# Altium PCB VCTS_mainboard_Photo.PcbDoc (part 2 of 4) (continued)
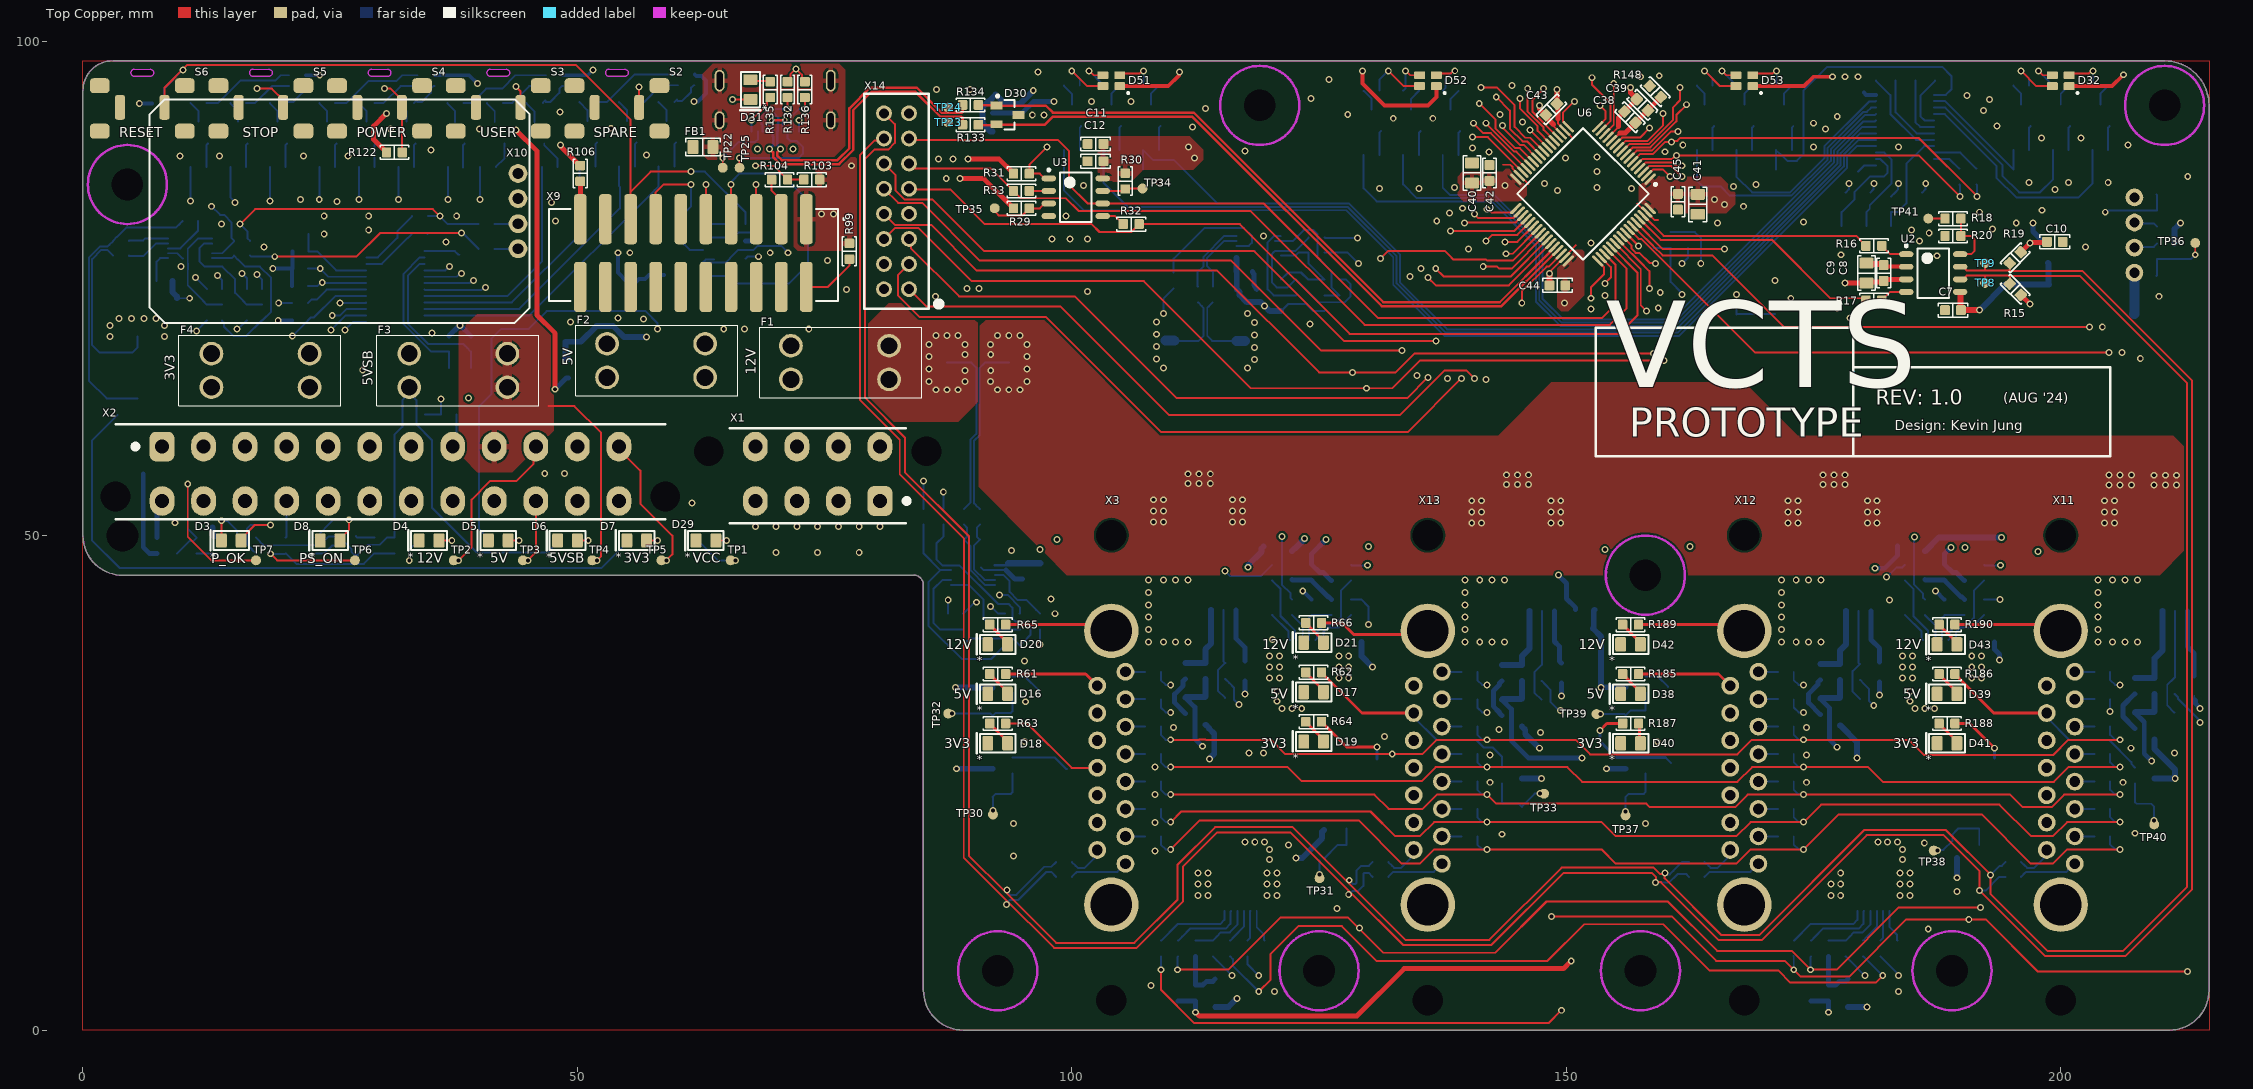
[diagram p0: Top Copper view]
## Nets (pads, with @x,y where several pads share a name; then routed paths per layer and width w, separated by ;. In a path a pad name is that pad's centre, name@x,y a point inside that pad or via, vN(x,y) a via of type N, cw(c..) or ccw(c..) an arc to the next point about the centre after c; other vN are vias at no path point) (continued)
3V3_ISense_U_Interface_Load_Switching1: C59.2 R196.1 U6.8 | length 111.3
  Top Copper w0.2: U6.8@156.008,88.526 156.744,89.262 158.495,89.262 161.126,91.893 161.126,92.53 v1(162.166,93.57)
  Signal Layer 2 w0.5: v1(162.166,93.57) 162.166,93.534 163.8,91.9 163.8,81.892 164.5,81.192 164.5,10.2 172.9,1.8 v1(176.5,1.8)
  Bottom Copper w0.5: C59.2@174.75,2.95 R196.1@176.5,2.95 v1(176.5,1.8)
3V3_ISense_U_Interface_Load_Switching2: C21.2 R72.1 U6.14 | length 139.3
  Top Copper w0.2: U6.14@153.881,90.642 154.8,91.56 v1(154.8,95.7)
  Top Copper w0.5: v1(112.5,1.8) 112.883,1.417 128.817,1.417 133.611,6.211 149.711,6.211 v1(150.5,7)
  Signal Layer 2 w0.5: v1(150.5,7) 150.5,21.077 152.531,23.108 152.531,37.031 154.8,39.3 v1(154.8,95.7)
  Bottom Copper w0.5: C21.2@110.75,2.95 R72.1@112.5,2.95 v1(112.5,1.8)
3V3_OUT_0_U_Interface_Load_Switching1: B6.12 B6.13 B6.14 C58.1 D45.1 R187.2 R194.1 X12.4 X12.5 | length 11.8
  Top Copper w0.3: v1(153.4,30.3) 154.1,31 R187.2@155.7,31
  Bottom Copper w0.2: 160.05,27.55 160.6,27
  Bottom Copper w0.3: v1(153.4,30.3) 153.4,29.212 155.062,27.55 R194.1@158,27.55 160.05,27.55
  other v1: 184,17.25 184,18.25 181.5,19 182.5,19 183.5,19
3V3_OUT_0_U_Interface_Load_Switching2: B2.12 B2.13 B2.14 C20.1 D23.1 R63.2 R70.1 X3.4 X3.5 | length 17.1
  Top Copper w0.2: R63.2@93.3,31 95.5,31 99.98,26.52 X3.4@102.578,26.52
  Bottom Copper w0.2: R70.1@94,27.55 98.3,27.55 99.45,26.4 D23.1@99.5,26.4
  other v1: 120,17.25 120,18.25 117.5,19 118.5,19 119.5,19
3V3_OUT_1_U_Interface_Load_Switching1: B6.8 B6.9 B6.10 C60.2 D47.1 R188.2 R201.1 X11.4 X11.5 | length 6
  Top Copper w0.3: R188.2@189.3,31 190.8,31 v1(193.3,28.5)
  Bottom Copper w0.3: 193.3,27.5 v1(193.3,28.5)
3V3_OUT_1_U_Interface_Load_Switching2: B2.8 B2.9 B2.10 C22.2 D25.1 R64.2 R77.1 X13.4 X13.5 | length 7.9
  Top Copper w0.3: R64.2@125.25,31.175 125.25,31.15 125.575,30.825 125.6,30.825 127.8,28.625 v1(130.85,28.625)
  Bottom Copper w0.3: 130.85,27.431 v1(130.85,28.625)
3V3_PWR_U_Interface_Load_Switching1: B2.15 B6.15 C7.2 C13.2 C14.2 C23.2 C32.2 C33.2 C46.2 C47.2 C50.2 C51.2 C52.2 C53.2 C61.2 C70.2 C71.2 D11.1 D13.1 D15.1 D22.1 D24.1 D26.1 D27.1 D28.1 D33.1 D35.1 D37.1 D44.1 D46.1 D48.1 D49.1 D50.1 R34.2 R37.2 R45.2 R87.2 R95.2 R114.2 R115.2 R116.2 R211.2 R217.1 R218.2 R219.2 U2.5 U4.6 U5.6 U7.24 U9.1 U10.1 U11.1 U12.1 U13.6 | length 271
  Top Copper w0.6: U2.5@189.825,74.645 189.863,74.645 189.863,72.838 C7.2@189.9,72.8 v1(191.8,72.8)
  Signal Layer 2 w0.6: v1(57.002,70.085) 59.7,67.387 59.7,56.4 61.6,54.5 v1(61.6,53.3) ; v1(96.1,95) 113.962,95 114.862,95.9 123.778,95.9 125.4,94.278 125.4,70.9 ; v1(191.8,72.8) v1(191.8,82.7)
  Signal Layer 3 w0.5: v1(8.25,71.25) v1@8.264,71.264 ; 10.642,75.05 12.35,75.05 14.654,77.354 16.646,77.354 v1(17.6,76.4)
  Signal Layer 3 w0.6: v1(178.6,85.6) 178.602,85.598 181.098,85.598 v1(181.1,85.596) v1(183.6,85.596) v1(186.35,85.596) 189.246,82.7 v1(191.8,82.7) ; 191.8,71.5 v1(191.8,72.8) ; v1(194,49.8) 195.5,49.8 198.1,52.4 200.9,52.4 203.5,49.8 205.863,49.8
  Bottom Copper w0.2: R218.2@3.05,78.3 3.05,78.315 2.462,78.903 1.872,78.903 0.93,77.962 0.93,69.27 1.7,68.5 5,68.5 5.5,69 R217.1@5.5,70.125 ; C70.2@7.45,75.75 7.45,77.694 7.806,78.05 U13.6@8.625,78.05 ; v1(13.6,76.3) 14.05,75.85 R219.2@14.05,74.95 ; v1(17.6,76.4) 18.1,75.9 R211.2@18.1,74.95 ; R37.2@89,42.1 89.025,42.1 90.088,43.163 90.259,43.163 v1(90.355,43.259) ; v1(92.7,44) 93.5,44 94.75,42.75 R45.2@94.75,42.1 R45.2@94.725,42.1 ; R95.2@121.15,72.7 121.857,73.407 123.713,73.407 124.42,72.7 R87.2@125.55,72.7 ; R115.2@178.238,84.688 178.57,85.02 178.57,85.57 v1(178.6,85.6) ; R114.2@180.738,84.688 181.066,85.016 v1@181.066,85.562 ; R116.2@182.85,84.3 182.865,84.3 183.238,84.674 183.238,84.688 183.566,85.016 183.566,85.562 v1(183.6,85.596) ; C47.2@185.988,84.688 186.316,85.016 v1@186.316,85.562
  Bottom Copper w0.25: U4.6@92.225,47 93.136,47 93.141,47.005 93.405,47.005 93.6,47.2
  Bottom Copper w0.6: U10.1@49.1,67.85 48.9,67.85 48.8,67.95 C52.2@48.8,69.6 50.35,69.6 51.95,71.2 53.604,71.2 54.704,70.1 56.987,70.1 v1(57.002,70.085) ; v1(88.225,34.625) D11.1@92,34.625 ; v1(88.325,26.425) D22.1@92,26.425 ; U9.1@92,90.85 91.8,90.85 90.97,91.68 90.97,93.328 91.526,93.884 91.584,93.884 C50.2@92.3,94.6 93.23,93.67 94.77,93.67 v1(96.1,95) ; D27.1@113.5,30.875 113.55,30.875 113.875,30.55 113.875,30.5 114.4,29.975 114.4,27.927 113.9,27.427 v1(113.9,27.4) ; D24.1@114.5,2.325 115.825,2.325 v1(116.7,3.2) ; 116.65,78.092 C32.2@116.65,76.7 116.675,76.675 116.675,74.925 C33.2@116.7,74.9 116.95,74.65 116.95,74.35 117.7,73.6 119.1,73.6 v1(119.5,73.2) 119.527,73.2 120.027,72.7 R95.2@121.15,72.7 ; D13.1@122.25,48.425 122.5,48.675 122.55,48.675 123.506,49.631 123.506,49.681 v1(123.525,49.7) ; v1(122.658,17.4) 123.3,17.4 125.309,19.409 125.309,20.051 D26.1@125.508,20.25 ; D15.1@145.5,25.425 v1(147.475,25.425) ; D28.1@145.5,30.675 145.524,30.675 145.849,30.35 145.849,29.919 147.249,28.519 147.254,28.519 147.269,28.504 v1@147.269,28.5 ; U11.1@152.85,42.5 152.775,42.425 152.775,40.675 C51.2@152.7,40.6 153.524,39.776 v1(153.524,34.654) 153.537,34.668 D33.1@156.002,34.668 ; v1(154.075,26.425) D44.1@156,26.425 ; D49.1@177.69,30.775 177.74,30.775 179.4,29.115 v1(179.4,27.5) ; D46.1@178.5,2.325 v1(180.425,2.325) ; D35.1@186.25,48.425 186.3,48.425 187.675,49.8 v1(194,49.8) ; v1(189.5,15.4) 189.508,15.408 D48.1@189.508,17.4 ; v1(191.8,72.8) 194.4,75.4 C53.2@198.8,75.4 198.75,75.45 198.75,77.5 U12.1@198.7,77.55 ; D37.1@209.5,25.425 v1(211.575,25.425) 211.575,26.325 209.5,28.4 D50.1@209.5,29.375 ; R34.2@211.5,79.55 211.5,81 v1(212.1,81.6)
  Bottom Copper w0.7: 93.6,47.2 C13.2@95,47.2 C14.2@96.8,47.2
  other v1: 112.75,13.625 113.75,13.625 119.75,13.625 120.75,13.625 176.75,13.625 177.75,13.625 183.75,13.625 184.75,13.625 112.75,14.75 113.75,14.75 119.75,14.75 120.75,14.75 176.75,14.75 177.75,14.75 183.75,14.75 184.75,14.75 112.75,15.875 113.75,15.875 119.75,15.875 120.75,15.875 177.75,15.875 183.75,15.875 184.75,15.875 147.3,28.5 93.9,48.5 96.8,48.6 2.75,70.125 8.25,70.125 2.75,71.25 3.66,71.957 4.91,71.957 6.16,71.957 7.41,71.957
3V3_SNS: R4.2 X2.13 | length 3.9
  Bottom Copper w0.5: R4.2@7.5,49.824 7.5,52.209 8,52.709 X2.13@8,53.5
3V3_UNPROT: F4.2 R4.1 TP5.1 X2.1 X2.2 X2.12 | length 23.1
  Top Copper w0.2: X2.12@54.2,59 54.2,58.75 56.37,56.58 56.37,53.23 59.6,50 59.6,48.1 v1(59,47.5)
  Bottom Copper w0.5: 6.101,56.254 6.101,48.82 6.721,48.2 R4.1@7.5,48.2
3V3_Vsense0_U_Interface_Load_Switching1: D44.2 R191.1 R194.2 TP37.1 | length 5.9
  Top Copper w0.2: TP37.1@156,21.7 v1(156,22.1)
  Bottom Copper w0.2: v1(156,22.1) D44.2@156,23.475 ; D44.2@156,23.575 156.309,23.884 157.834,23.884 R191.1@158,24.05 R194.2@158,25.95
3V3_Vsense0_U_Interface_Load_Switching2: D22.2 R67.1 R70.2 TP30.1 | length 5.9
  Top Copper w0.2: TP30.1@92.025,21.796 v1(92.025,22.196)
  Bottom Copper w0.2: D22.2@92,23.575 92.309,23.884 93.834,23.884 R67.1@94,24.05 R70.2@94,25.95 ; v1(92.025,22.196) D22.2@92.025,23.571
3V3_Vsense1_U_Interface_Load_Switching1: D48.2 R201.2 R202.1 TP38.1 | length 7.2
  Bottom Copper w0.2: v1(187.55,18.15) 187.63,18.23 188.13,18.23 189.058,19.158 189.058,19.8 D48.2@189.508,20.25 189.655,20.397 191.755,20.397 R201.2@191.758,20.4 R202.1@191.758,18.7
3V3_Vsense1_U_Interface_Load_Switching2: D26.2 R77.2 R78.1 TP31.1 | length 6.3
  Top Copper w0.2: TP31.1@125.05,15.35 v1(125.05,15.75)
  Bottom Copper w0.2: v1(125.05,15.75) D26.2@125.05,17.125 ; D26.2@125.508,17.4 125.558,17.4 126.858,18.7 R78.1@127.758,18.7 R77.2@127.758,20.4
5V_ATX: F2.1 R8.2 R90.2 R91.2 R93.2 | length 56.6
  Signal Layer 2 w0.2: v1(58.1,70.9) 59.6,69.4 F2.1@62.92,69.4
  Bottom Copper w0.2: R8.2@41.2,49.5 41.2,49.525 40.05,50.675 40.05,63.05 41.3,64.3 41.3,69.9 42.296,70.896 45.096,70.896 46.9,72.7 53.804,72.7 53.808,72.704 54.392,72.704 54.396,72.7 56.896,72.7 58.1,71.496 v1(58.1,70.9) ; v1(109.25,72.45) 109.25,73.95 109.912,74.612 109.912,74.626 110.285,75 R90.2@110.3,75 ; R93.2@110.375,69.7 112.822,69.7 113.335,70.213 113.335,72.996 113.15,73.181 113.15,73.196 112.765,73.581 R91.2@112.75,73.581
  Bottom Copper w1: 109.479,69.735 110.34,69.735 R93.2@110.375,69.7
  other v1: 109.25,66.95 108.543,67.86 108.543,69.11 108.543,70.36 108.543,71.61
5V_ISense_U_Interface_Load_Switching1: C55.2 R178.1 U6.9 | length 90.6
  Top Copper w0.2: U6.9@155.655,88.879 156.367,89.592 158.359,89.592 160.796,92.029 160.796,93.296 161.5,94 v1(161.5,95.3)
  Signal Layer 2 w0.5: v1(188.9,48.8) 190.7,50.6 190.7,83.942 190.696,83.946 190.696,84.654 190.7,84.658 190.7,94.246 190.5,94.446 v1(190.5,94.5)
  Signal Layer 3 w0.5: v1(161.5,95.3) 189.7,95.3 v1(190.5,94.5)
  Bottom Copper w0.5: v1(188.9,48.8) 188.25,48.15 R178.1@188.25,47.05 188.275,47.05 189.062,46.262 189.437,46.262 C55.2@190.25,45.45
5V_ISense_U_Interface_Load_Switching2: C17.2 R54.1 U6.15 | length 87
  Top Copper w0.2: v1(152.6,96.3) 152.6,95.6 154.45,93.75 154.45,91.918 U6.15@153.528,90.995
  Signal Layer 2 w0.5: v1(125.7,49.6) 126.84,50.74 126.84,95.26 v1(126,96.1)
  Signal Layer 3 w0.5: v1(126,96.1) 139.03,96.1 140.145,97.215 151.685,97.215 v1(152.6,96.3)
  Bottom Copper w0.5: v1(125.7,49.6) 124.25,48.15 R54.1@124.25,47.05 124.275,47.05 125.063,46.263 125.438,46.263 C17.2@126.25,45.45
5V_OUT_0_U_Interface_Load_Switching1: B5.12 B5.13 B5.14 C54.1 D34.1 R176.1 R185.2 X12.1 X12.2 | length 12.5
  Top Copper w0.3: R185.2@157.3,36 165.404,36 X12.1@166.578,34.826
  Bottom Copper w0.2: R176.1@158,35.75 159.25,35.75 160.3,34.7
  other v1: 185.25,32.5 186.25,32.5 187.25,32.5 184.75,33.25 184.75,34.25
5V_OUT_0_U_Interface_Load_Switching2: B1.12 B1.13 B1.14 C16.1 D12.1 R52.1 R61.2 X3.1 X3.2 | length 13.1
  Top Copper w0.3: R61.2@93.3,36 101.404,36 X3.1@102.578,34.826
  Bottom Copper w0.2: R52.1@94,35.75 95.25,35.75 96.7,34.3
  other v1: 121.25,32.5 122.25,32.5 123.25,32.5 120.75,33.25 120.75,34.25
5V_OUT_1_U_Interface_Load_Switching1: B5.8 B5.9 B5.10 C56.2 D36.1 R183.1 R186.2 X11.1 X11.2 | length 22.5
  Top Copper w0.3: R186.2@189.3,36 189.3,35.975 193.217,32.058 X11.2@198.578,32.058
  Bottom Copper w0.2: X11.2@198.578,32.058 198.578,31.631 200.878,29.33 204.884,29.33 207.132,27.083 207.132,26.918 R183.1@207.5,26.55
5V_OUT_1_U_Interface_Load_Switching2: B1.8 B1.9 B1.10 C18.2 D14.1 R59.1 R62.2 X13.1 X13.2 | length 23.1
  Top Copper w0.3: R62.2@125.25,36.175 125.25,36.15 129.342,32.058 X13.2@134.578,32.058
  Bottom Copper w0.2: X13.2@134.578,32.058 134.578,31.631 136.878,29.33 140.884,29.33 141.641,28.574 142.549,28.574 143.5,27.623 R59.1@143.5,26.55
5V_UNPROT: F2.2 TP3.1 X2.4 X2.6 X2.21 X2.22 X2.23 | length 6.3
  Top Copper w0.2: v1(45,47.5) 45.8,48.3 X2.22@45.8,53.5
5V_Vsense0_U_Interface_Load_Switching1: D33.2 R173.1 R176.2 TP39.1 | length 6.7
  Bottom Copper w0.2: v1(153.45,31.95) 155.87,31.95 D33.2@156.002,31.818 156.477,32.293 R173.1@158.002,32.293 158.001,32.294 158.001,34.149 R176.2@158,34.15
5V_Vsense0_U_Interface_Load_Switching2: D11.2 R49.1 R52.2 TP32.1 | length 8.3
  Bottom Copper w0.2: v1(87.9,32) 91.775,32 D11.2@92,31.775 92.309,32.084 93.834,32.084 R49.1@94,32.25 R52.2@94,34.15
5V_Vsense1_U_Interface_Load_Switching1: D37.2 R183.2 R184.1 TP40.1 | length 5.8
  Top Copper w0.2: TP40.1@209.45,20.8 v1(209.45,21.2)
  Bottom Copper w0.2: R183.2@207.5,24.95 R184.1@207.5,23.05 207.666,22.884 209.141,22.884 209.45,22.575 v1(209.45,21.2)
5V_Vsense1_U_Interface_Load_Switching2: D15.2 R59.2 R60.1 TP33.1 | length 6.9
  Top Copper w0.2: v1(147.35,23.9) TP33.1@147.75,23.9
  Bottom Copper w0.2: R59.2@143.5,24.95 R60.1@143.5,23.05 143.65,22.9 145.175,22.9 D15.2@145.5,22.575 ; D15.2@145.5,22.6 146.8,23.9 v1(147.35,23.9)
5VSB_ATX: C1.2 C2.2 C3.2 F3.1 Q1.2 R5.2 R6.2 R9.2 U1.3 X10.2 | length 68.8
  Signal Layer 3 w0.5: 39.9,77 39.9,79.98 X10.2@44,84.08
  Bottom Copper w0.2: R5.2@17.5,49.8 17.515,49.8 17.9,49.415 17.9,49.4 18.277,49.023 23.953,49.023 24.831,49.9 25.9,49.9 27.142,48.658 27.142,48.35 27.442,48.05 27.8,48.05 28.825,49.075 30.006,49.075 30.731,49.8 R6.2@31.5,49.8 31.5,60.2 32.3,61 32.3,63.705 F3.1@33,64.405 ; F3.1@33,65 F3.1@33,64.405 ; R9.2@48.2,49.5 48.2,49.485 47.826,49.112 47.812,49.112 47,48.3 39.8,48.3 35.3,52.8 35.3,59.659 33.711,61.249 33.711,63.694 F3.1@33,64.405
  other v1: 89.4,75 90.6,75
5VSB_UNPROT: F3.2 TP4.1 X2.9 | length 19.5
  Top Copper w0.2: 47.1,63.1 49.7,63.1 52.4,60.4 52.4,47.92 52,47.52 v1(52,47.5)
12V_ATX: F1.1 R7.2 R40.2 R41.2 R43.2 | length 121.3
  Signal Layer 2 w0.2: v1(33,47.5) 33.704,46.796 66.292,46.796 66.299,46.803 82.3,46.803 87.714,52.217 87.714,64.093 87.801,64.181 87.801,64.317 87.375,64.743 v1(87.375,64.75) ; v1(88.5,64.75) 88.5,55.3 96.8,47 v1(96.8,39)
  Bottom Copper w0.2: v1(33,47.5) 33,48.572 33.614,49.185 33.885,49.185 R7.2@34.2,49.5 ; R43.2@87.375,67.5 89.832,67.5 90.344,66.988 90.344,60.292 89.777,59.725 89.777,53.377 89.488,53.088 89.488,53.074 89.115,52.7 R41.2@89.1,52.7 ; v1(96.8,39) R40.2@96.8,40.5
  other v1: 86.25,64.75 85.543,65.59 89.207,65.59 89.2,66.7 85.543,66.84 85.543,68.09 89.2,68.3 85.543,69.34 89.207,69.34 86.25,70.25 87.375,70.25 88.5,70.25
12V_ISense_1_U_Interface_Load_Switching1: C66.2 D49.2 R205.1 U6.10 | length 100.1
  Top Copper w0.2: U6.10@155.301,89.233 155.99,89.922 158.222,89.922 159.8,91.5 v1(159.8,92.7)
  Signal Layer 2 w0.5: v1(177.39,28.6) 180,31.21 180,50.507 179.586,50.921 179.586,53.879 180,54.293 180,89.8 v1(177.4,92.4)
  Signal Layer 3 w0.5: v1@159.81,92.71 177.036,92.71 177.346,92.4 v1(177.4,92.4)
  Bottom Copper w0.5: C66.2@175.69,33.5 176.635,32.555 176.635,29.355 v1(177.39,28.6)
  Bottom Copper w0.6: C66.2@175.69,33.5 175.752,33.562 177.628,33.562 D49.2@177.69,33.625 R205.1@177.69,35.4
12V_ISense_1_U_Interface_Load_Switching2: C28.2 D27.2 R81.1 U6.16 | length 113.4
  Top Copper w0.2: U6.16@153.174,91.349 153.971,92.145 153.971,92.929 v1(153.4,93.5)
  Signal Layer 2 w0.5: v1(113.2,28.7) 114.446,29.946 114.446,51.275 114.9,51.729 114.9,86.5 117.262,88.862 117.462,88.862 v1(117.5,88.9)
  Signal Layer 3 w0.5: v1(117.5,88.9) 117.532,88.9 118.032,89.4 138.4,89.4 140,87.8 147.7,87.8 v1(153.4,93.5)
  Bottom Copper w0.5: C28.2@111.5,33.6 112.445,32.655 112.445,29.455 v1(113.2,28.7)
  Bottom Copper w0.6: C28.2@111.5,33.6 111.562,33.663 113.438,33.663 D27.2@113.5,33.725 R81.1@113.5,35.5
12V_ISense_2_U_Interface_Load_Switching1: C67.2 D50.2 R206.1 U6.11 | length 132.2
  Top Copper w0.2: U6.11@154.942,89.581 154.969,89.581 155.64,90.252 157.452,90.252 v1(158.4,91.2)
  Signal Layer 2 w0.5: v1(206.8,89.5) 201.1,83.8 201.1,66.6 208.5,59.2 208.5,53 210.6,50.9 210.6,28.6 v1(209.2,27.2)
  Signal Layer 3 w0.2: v1(158.4,91.2) 158.866,91.666 164.034,91.666 165.532,90.168 189.332,90.168 190.004,89.496 202.335,89.496 202.339,89.5 v1(206.8,89.5)
  Bottom Copper w0.5: C67.2@207.5,32.1 208.445,31.155 208.445,27.955 v1(209.2,27.2)
  Bottom Copper w0.6: C67.2@207.5,32.1 207.562,32.163 209.438,32.163 D50.2@209.5,32.225 R206.1@209.5,34
12V_ISense_2_U_Interface_Load_Switching2: C29.2 D28.2 R82.1 U6.17 | length 86.3
  Top Copper w0.2: U6.17@150.204,91.349 150.204,91.376 149.659,91.922 149.659,92.754 150.809,93.904 v1(150.84,93.904)
  Signal Layer 2 w0.5: v1(150.84,93.904) 151.6,93.144 v1(151.6,27.5)
  Bottom Copper w0.5: C29.2@143.5,33.4 144.445,32.455 144.445,29.255 146.2,27.5 v1(151.6,27.5)
  Bottom Copper w0.6: C29.2@143.5,33.4 143.563,33.462 145.438,33.462 D28.2@145.5,33.525 R82.1@145.5,35.3
12V_OUT_1_U_Interface_Load_Switching1: B7.5 B7.6 B7.7 C62.2 R189.2 X12.A1 | length 11
  Top Copper w0.3: R189.2@157.3,41 167.363,41 X12.A1@168,40.363
  other v1: 171.75,39.25 173.25,39.25 174.5,39.25 175.75,39.25 171.75,40.5 171.75,41.75 171.75,43 171.75,44.25 171.75,45.5 173.25,45.5 174.5,45.5 175.75,45.5
12V_OUT_1_U_Interface_Load_Switching2: B3.5 B3.6 B3.7 C24.2 R65.2 X3.A1 | length 11
  Top Copper w0.3: R65.2@93.3,41 103.363,41 X3.A1@104,40.363
  other v1: 107.75,39.25 109.25,39.25 110.5,39.25 111.75,39.25 107.75,40.5 107.75,41.75 107.75,43 107.75,44.25 107.75,45.5 109.25,45.5 110.5,45.5 111.75,45.5
12V_OUT_2_U_Interface_Load_Switching1: B8.5 B8.6 B8.7 C63.2 R190.2 X11.A1 | length 11
  Top Copper w0.3: R190.2@189.3,41 199.363,41 X11.A1@200,40.363
  other v1: 203.75,39.25 205.25,39.25 206.5,39.25 207.75,39.25 203.75,40.5 203.75,41.75 203.75,43 203.75,44.25 203.75,45.5 205.25,45.5 206.5,45.5 207.77,45.5
12V_OUT_2_U_Interface_Load_Switching2: B4.5 B4.6 B4.7 C25.2 R66.2 X13.A1 | length 11.4
  Top Copper w0.3: R66.2@125.25,41.175 127.325,41.175 128.5,40 135.637,40 X13.A1@136,40.363
  other v1: 139.75,39.25 141.25,39.25 142.5,39.25 143.75,39.25 139.75,40.5 139.75,41.75 139.75,43 139.75,44.25 139.75,45.5 141.25,45.5 142.5,45.5 143.75,45.5
12V_PWR: B3.8 B4.8 B7.8 B8.8 C26.2 C27.2 C64.2 C65.2 F5.1 R43.1 R44.2 | length 17.9
  Bottom Copper w0.2: R44.2@90.7,52.7 90.685,52.7 90.3,53.085 90.3,53.1 90.107,53.293 90.107,59.588 90.674,60.155 90.674,66.955 91.219,67.5 R43.1@93.625,67.5
  other v1: 92.5,64.75 93.625,64.75 94.75,64.75 91.793,65.59 95.457,65.59 91.8,66.7 95.457,66.84 95.457,68.09 91.8,68.3 91.793,69.34 95.457,69.34 92.5,70.25 93.625,70.25 94.75,70.25
  other v2: 140.44,51.275 141.44,51.275 148.44,51.275 149.44,51.275 172.44,51.275 173.44,51.275 180.44,51.275 181.44,51.275 204.44,51.275 205.44,51.275 108.25,51.375 109.25,51.375 116.25,51.375 117.25,51.375 140.44,52.4 141.44,52.4 148.44,52.4 149.44,52.4 172.44,52.4 173.44,52.4 180.44,52.4 181.44,52.4 204.44,52.4 205.44,52.4 108.25,52.5 109.25,52.5 116.25,52.5 117.25,52.5 140.44,53.525 141.44,53.525 148.44,53.525 149.44,53.525 172.44,53.525 173.44,53.525 180.44,53.525 181.44,53.525 204.44,53.525 205.44,53.525 108.25,53.625 109.25,53.625 116.25,53.625 117.25,53.625 204.885,55.113 206.01,55.113 207.135,55.113 209.45,55.1 210.575,55.1 211.7,55.1 143.94,55.15 145.065,55.15 146.19,55.15 175.94,55.15 177.065,55.15 178.19,55.15 111.75,55.25 112.875,55.25 114,55.25 209.45,56.1 210.575,56.1 211.7,56.1 204.885,56.113 206.01,56.113 207.135,56.113 143.94,56.15 145.065,56.15 146.19,56.15 175.94,56.15 177.065,56.15 178.19,56.15 111.75,56.25 112.875,56.25 114,56.25
12V_UNPROT: F1.2 TP2.1 X1.5 X1.6 X1.7 X1.8 X2.10 X2.11 | length 16.4
  Top Copper w0.2: v1(38,47.5) 39.3,48.8 39.3,53.642 41.158,55.5 43.8,55.5 45.57,57.27 45.57,58.43 45.4,58.6 X2.10@45.8,59
A0: R37.1 R38.1 R39.1 R42.2 U4.2 | length 8.8
  Bottom Copper w0.2: U4.2@87.775,45.5 86.9,45.5 86,44.6 86,41.2 86.7,40.5 R42.2@87.5,40.5 R39.1@89,40.5
A0_U_Low_Current_Sense1: R211.1 R212.1 R213.1 R216.2 U13.2 | length 11.8
  Bottom Copper w0.2: U13.2@13.075,79.55 13.056,79.531 12.231,79.531 11.8,79.1 11.8,77.7 12.3,77.2 14.1,77.2 15.4,75.9 15.4,74.55 16.212,73.738 16.212,73.724 16.585,73.35 R212.1@16.6,73.35 R213.1@18.1,73.35
A0_U_Low_Current_Sense2: R87.1 R88.1 R89.1 R92.2 U5.2 | length 13.5
  Bottom Copper w0.2: U5.2@120.543,79.781 121.106,79.781 U5.2@121.125,79.8 122.369,79.8 123.449,80.88 124.451,80.88 124.845,80.486 124.845,78.124 126.28,76.689 126.28,75.07 R92.2@127.05,74.3 R87.1@125.55,74.3 R87.1@125.525,74.3
A1: R45.1 R46.1 R47.1 R48.2 U4.1 | length 10
  Bottom Copper w0.2: U4.1@87.775,45 89.609,45 91.059,43.551 91.059,41.641 92.2,40.5 R48.2@93.25,40.5 R47.1@94.75,40.5
A1_U_Low_Current_Sense1: R219.1 R220.1 R221.1 R222.2 U13.1 | length 10.9
  Bottom Copper w0.2: U13.1@13.075,80.05 11.65,80.05 10.6,79 10.6,77.496 10.604,77.492 10.604,76.908 10.6,76.904 10.6,75.3 12.162,73.738 12.162,73.724 12.535,73.35 R222.2@12.55,73.35 R219.1@14.05,73.35
A1_U_Low_Current_Sense2: R95.1 R96.1 R97.1 R98.2 U5.1 | length 9.4
  Bottom Copper w0.2: U5.1@121.125,80.3 121.106,80.281 120.437,80.281 119.8,79.644 119.8,74.9 120.4,74.3 R97.1@121.15,74.3 R96.1@122.65,74.3
ADC1_IN10: U6.22 U9.2 | length 63.4
  Top Copper w0.2: v1(145.3,94.2) 145.3,93.199 147.1,91.399 147.1,90.918 U6.22@148.437,89.581
  Signal Layer 3 w0.5: v1(98.2,93.9) 98.254,93.9 98.347,93.807 98.893,93.807 100.354,92.346 114.646,92.346 117.85,95.55 124.876,95.55 125.626,94.8 139.3,94.8 140.755,96.255 142.445,96.255 144.5,94.2 v1(145.3,94.2)
  Bottom Copper w0.5: U9.2@92,92.75 94.992,92.75 96.142,93.9 v1@98.168,93.9
ADC1_IN11: U6.26 U11.2 | length 58.7
  Top Copper w0.2: v1(143.564,91.45) 143.66,91.354 143.66,91.135 145.294,89.5 145.695,89.5 147.022,88.172 U6.26@147.022,88.167
  Signal Layer 2 w0.5: v1(143.564,91.45) 143.564,88.036 149.9,81.7 149.9,75.4 148.9,74.4 148.9,55.273 150.294,53.879 150.294,50.921 149.2,49.827 v1(149.2,46)
  Bottom Copper w0.5: v1(149.2,46) 150.019,45.181 150.019,43.631 150.95,42.7 U11.2@150.95,42.5
ADC1_IN14: U6.30 U10.2 | length 141
  Top Copper w0.2: v1(140.5,90.3) 142.061,90.3 U6.30@145.608,86.753
  Top Copper w0.5: v1(43.8,91) 45.9,88.9 45.9,72.3 47.75,70.45 v1(47.75,64.8)
  Signal Layer 2 w0.4: 63.7,97.45 63.75,97.5 65.05,97.5 65.1,97.45
  Signal Layer 2 w0.5: v1(43.8,91) 48.507,95.707 55.209,95.707 56.952,97.45 63.7,97.45 ; 65.1,97.45 70.5,97.45 73.85,94.1 90.8,94.1 92.6,95.9 113.9,95.9 114.954,96.954 126.538,96.954 133.192,90.3 v1(140.5,90.3)
  Bottom Copper w0.5: v1(47.75,64.8) 48.9,65.95 U10.2@49.1,65.95
ADC1_IN15: U6.23 U12.2 | length 67.3
  Top Copper w0.2: v1(146.339,91.018) 146.339,90.994 148.083,89.251 U6.23@148.083,89.228
  Signal Layer 2 w0.5: v1(192.2,93) 192.2,86.604 v1(197.2,81.604)
  Signal Layer 3 w0.5: v1(146.339,91.018) 150.422,95.1 154.192,95.1 154.868,94.424 187.776,94.424 189.2,93 v1(192.2,93)
  Bottom Copper w0.5: v1(197.2,81.604) 197.2,80.75 198.5,79.45 U12.2@198.7,79.45
AGND: C38.1 C39.1 R148.2 U6.12 | length 6.8
  Top Copper w0.2: U6.12@154.588,89.935 154.616,89.935 U6.12@155.09,90.409 ; U6.12@155.091,90.409 155.404,90.722
  Top Copper w0.5: 155.404,90.722 155.414,90.732 155.992,90.732 C38.1@157.005,91.745 C39.1@158.255,92.995 158.255,93.009 159.566,94.32 R148.2@159.566,94.334
BTN_POWER: R121.1 R122.1 S4.1 | length 43.5
  Top Copper w0.2: v1(30.5,95.2) 31.118,95.2 32.25,94.068 S4.1@32.25,93.3 32.25,88.75 R122.1@32.3,88.75
  Signal Layer 2 w0.2: v1(19.8,73.5) 19.8,75.3 14.7,80.4 14.7,81.204 14.704,81.208 14.704,81.792 14.7,81.796 14.7,83.404 14.696,83.408 14.696,83.992 14.7,83.996 14.7,86.6 23.3,95.2 v1(30.5,95.2)
  Bottom Copper w0.2: v1(19.8,73.5) R121.1@21.15,73.5
BTN_SPARE: R128.1 S2.1 U8.20 | length 62.7
  Top Copper w0.2: S2.1@56.25,93.3 v1(56.25,95.35)
  Signal Layer 2 w0.2: v1(24,77) 17.7,83.3 17.7,86.7 21.255,90.255 51.155,90.255 v1(56.25,95.35)
  Bottom Copper w0.2: R128.1@22.75,77 v1(24,77) 24.825,76.175 U8.20@28.65,76.175
BTN_STOP: R120.1 S5.1 U8.17 | length 51.4
  Top Copper w0.2: v1(17.6,95.2) 19.1,95.2 20.25,94.05 S5.1@20.25,93.3
  Signal Layer 2 w0.2: v1(17.6,95.2) 8.9,86.5 8.9,74.5 13.228,70.172 v1(21.172,70.172)
  Bottom Copper w0.2: v1(21.172,70.172) 21.187,70.172 22.75,71.735 R120.1@22.75,71.75 23.054,72.054 23.346,72.054 25.517,74.225 U8.17@28.65,74.225
BTN_USER: R123.1 S3.1 U8.19 | length 53.5
  Top Copper w0.2: v1(43.8,95.4) 44.25,94.95 S3.1@44.25,93.3
  Signal Layer 2 w0.2: v1(24.2,75.6) 16.5,83.3 16.5,86.7 23.6,93.8 42.2,93.8 v1(43.8,95.4)
  Bottom Copper w0.2: R123.1@22.75,75.25 23.73,75.25 24.08,75.6 v1(24.2,75.6) ; v1@24.2,75.525 U8.19@28.65,75.525
CAN_N: R15.2 R27.1 R155.1 R163.1 R171.1 TP8.1 U2.6 X14.9 | length 335.7
  Top Copper w0.2: X14.9@81,92.7 82.1,91.6 82.1,89.704 81.426,89.031 80.031,89.031 79.1,88.1 79.1,63.942 83.125,59.917 83.125,56.417 89.6,49.942 89.6,42.296 89.596,42.292 89.596,17.646 93.273,13.969 98.417,8.825 106.325,8.825 110.7,13.2 110.7,16.742 114.483,20.525 122.317,20.525 133.717,9.125 142.216,9.125 149.52,16.429 158.842,16.429 159.467,15.804 159.904,15.804 v1@159.942,15.842 ; v1(160,15.9) v1@159.942,15.842 ; U2.6@189.825,75.915 190.142,75.915 190.394,76.167 190.394,76.191 190.49,76.288 192.4,76.288 ; TP8.1@192.35,75.55 192.35,76.238 192.4,76.288 ; 194.741,76.238 194.691,76.287 193.79,76.287 192.4,76.288 ; 194.809,76.187 194.859,76.238 195.095,76.238 201.963,76.238 212.761,65.439 212.761,14.461 206.3,8 198.642,8 192.9,13.742 v1(192.9,15.7) 188.371,20.229 180.142,20.229 169.541,9.627 165.644,9.627 159.942,15.329 v1@159.942,15.842 ; R15.2@194.834,75.466 194.859,75.491 194.859,76.138
  Bottom Copper w0.2: v1(93.452,14.148) 93.452,14.013 93.787,13.678 94.384,13.678 97.219,16.512 97.928,16.512 98.4,16.984 R27.1@98.4,17 ; v1(128.052,15.148) 128.052,15.122 128.398,14.776 128.676,14.776 128.773,14.873 128.773,15.228 128.767,15.234 128.767,16.093 129.276,16.602 129.928,16.602 129.938,16.612 130.026,16.612 130.4,16.985 R171.1@130.4,17 ; v1(160,15.9) 160.135,15.9 160.286,15.75 160.483,15.75 160.833,16.1 160.833,16.104 161.73,17 R163.1@162.4,17 ; v1(192.9,15.7) 193.812,16.612 194.037,16.612 194.4,16.975 R155.1@194.4,17
CAN_P: R19.1 R28.1 R156.1 R164.1 R172.1 TP9.1 U2.7 X14.10 | length 336.5
  Top Copper w0.2: X14.10@81,90.16 80.803,89.963 80.07,89.963 78.575,88.467 78.575,63.725 82.6,59.7 82.6,56.2 89.075,49.725 89.075,42.513 89.071,42.509 89.071,17.429 93.056,13.444 98.2,8.3 106.542,8.3 111.225,12.983 111.225,16.525 114.7,20 122.1,20 v1@128.3,13.8 ; v1(128,13.7) 128.096,13.796 128.296,13.796 v1@128.3,13.8 ; v1(159,14.9) v1@159.058,14.958 ; U2.7@189.825,77.185 190.142,77.185 190.394,76.933 190.394,76.909 190.49,76.813 192.249,76.813 ; TP9.1@192.35,77.55 192.35,76.914 192.249,76.813 ; 194.787,76.812 194.007,76.812 192.249,76.813 ; 194.792,76.818 194.792,76.909 ; 194.859,76.812 194.908,76.812 194.958,76.763 195.312,76.763 202.18,76.763 213.286,65.656 213.286,14.244 206.517,7.475 198.425,7.475 v1(191.8,14.1) 191.8,16.057 188.154,19.704 180.36,19.704 169.758,9.102 165.426,9.102 159.571,14.958 v1@159.058,14.958 ; v1@128.3,13.8 133.5,8.6 142.433,8.6 149.737,15.904 158.625,15.904 159.096,15.433 159.096,14.996 v1@159.058,14.958
  Bottom Copper w0.2: v1(93.4,12.7) 93.4,12.835 93.717,13.153 94.602,13.153 97.436,15.987 97.928,15.987 98.4,15.516 R28.1@98.4,15.5 ; v1(128,13.7) 128.026,13.7 128.398,14.072 128.968,14.072 129.477,14.581 129.477,15.519 129.471,15.525 129.471,15.801 129.567,15.898 129.928,15.898 129.938,15.888 130.026,15.888 130.4,15.515 R172.1@130.4,15.5 ; v1(159,14.9) 160.376,14.9 161.257,15.781 162.119,15.781 R164.1@162.4,15.5 ; v1(191.8,14.1) 192.4,14.1 193.792,15.492 194.392,15.492 R156.1@194.4,15.5
CAN_RX: R17.1 U6.61 | length 26.2
  Top Copper w0.2: U6.61@157.417,82.015 159.532,79.9 170.8,79.9 176.7,74 R17.1@180.3,74
CAN_TX: R16.1 U6.62 | length 24.2
  Top Copper w0.2: U6.62@157.77,82.369 159.839,80.3 179.3,80.3 179.9,79.7 179.915,79.7 180.547,79.068 R16.1@180.547,79.053
CC1: J1.A5 R132.2 | length 5.7
  Top Copper w0.2: v1(71.25,93.15) R132.2@71.25,94.3
  Bottom Copper w0.2: J1.A5@68.75,90.85 68.7,90.9 68.7,91.497 68.639,91.558 68.639,92.398 69.39,93.15 v1(71.25,93.15)
CC2: J1.B5 R136.1 | length 4.3
  Top Copper w0.2: v1(73,93.15) R136.1@73,94.3
  Bottom Copper w0.2: J1.B5@71.75,90.85 71.75,91.654 71.696,91.708 71.696,92.395 72.451,93.15 v1(73,93.15)